# Altium PCB Audio-Streamer-Mainboard.PcbDoc (part 1 of 7) (continued)
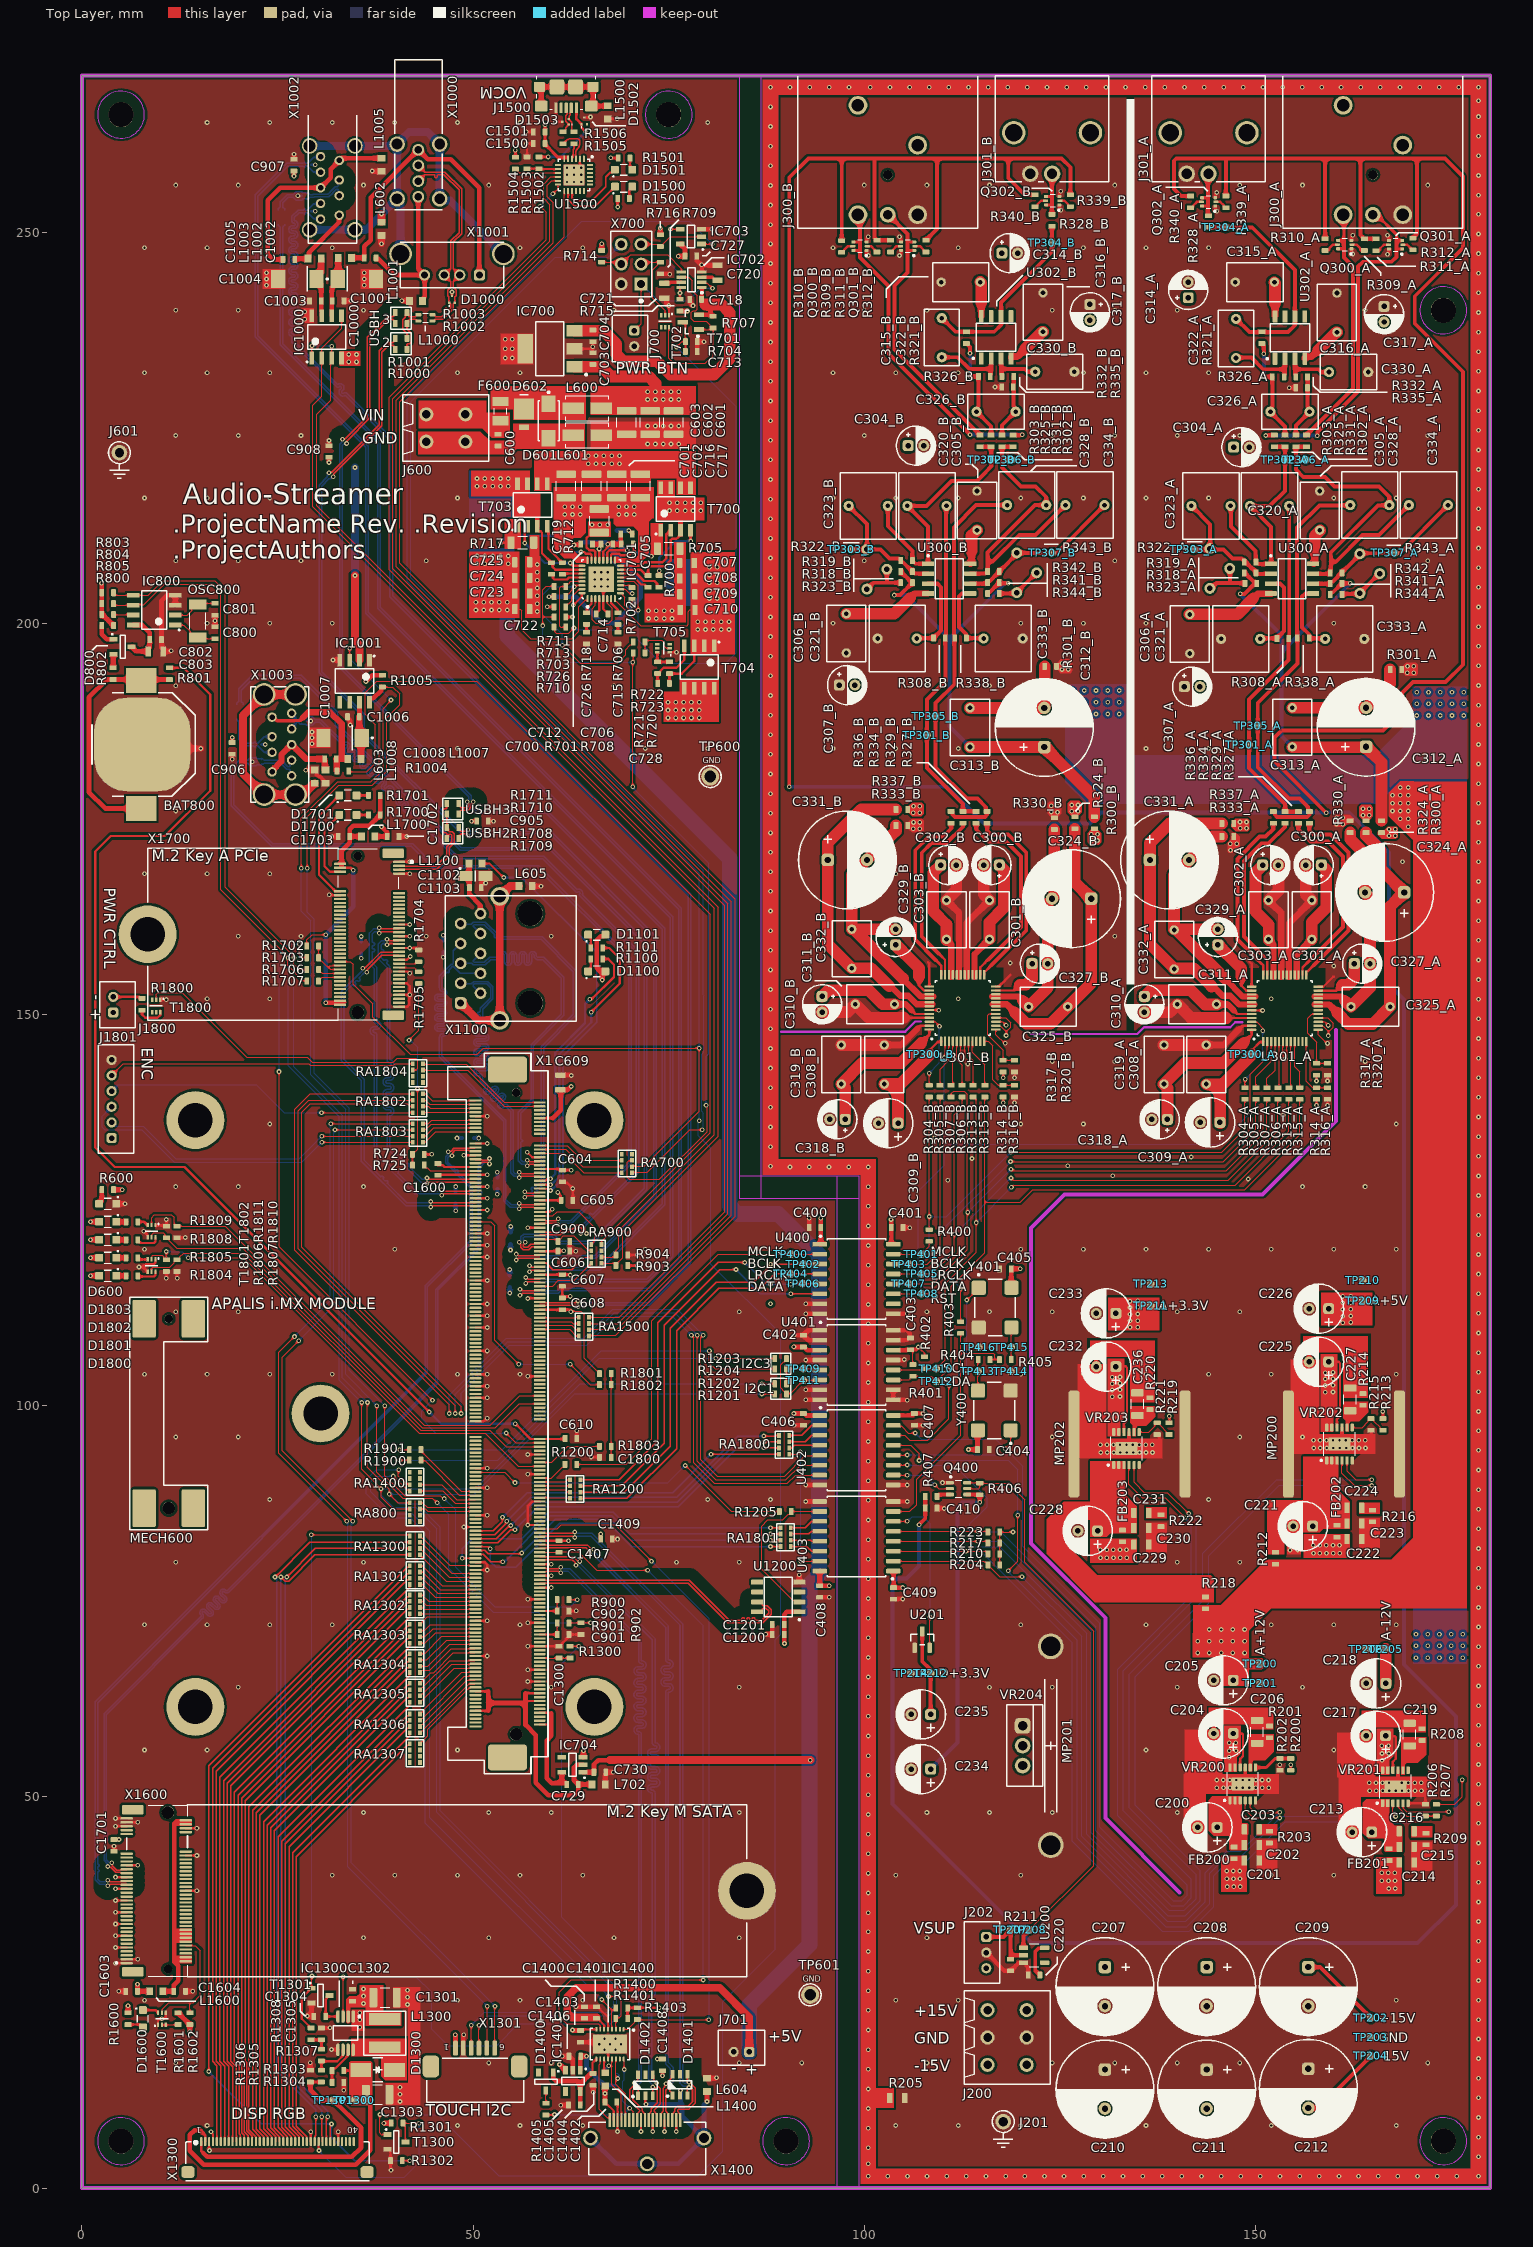
[diagram p0: Top Layer view]
## Components (designator, comment, footprint, x,y, rotation, side; value= is the part's Value field where it differs from the comment) (continued)
D1300 "SS14" T_DO-214-AC 37.8,15.105 r180 top
D1400 "BAT54C" SOT95P230X110-3N 59.3,13.615 r270 top
D1401 "RCLAMP0504S" T_SOT95P285X90-6N 76.429,13.2 r90 top
D1402 "RCLAMP0504S" T_SOT95P285X90-6N 72.01,13.15 r90 top
D1500 "green" LED 69.229,255.8 r180 top
D1501 "green" LED 69.229,257.96 r180 top
D1502 "TPD2EUSB30DRTR" T_TI_TPD2EUSB30DRTR 64.2,264.205 r90 top
D1503 "TPD2EUSB30DRTR" T_TI_TPD2EUSB30DRTR 61.8,264.1 r180 top
D1600 "green" LED 7.8,21.65 r90 top
D1700 "green" LED 34,175.5 r180 top
D1701 "green" LED 34,178 r180 top
D1800 "green" LED 3.3,116.6 r0 top
D1801 "red" LED 3.3,118.9 r0 top
D1802 "green" LED 3.3,121.2 r0 top
D1803 "red" LED 3.3,123.5 r0 top
F600 "7A" T_Littelfuse_0458 53.5,227.1 r90 top
FB200 "0Ω" SMD0603RES 147.268,42.853 r90 top
FB201 "0Ω" SMD0603RES 167.075,42.616 r90 top
FB202 "0Ω" SMD0603RES 160.391,83.95 r90 top
FB203 "0Ω" SMD0603RES 133,83.35 r90 top
IC700 "L5150BNTR" T_ON_NCV4264-2ST50T3G 59.8,235.082 r180 top
IC701 "TPS51120" QFN50P500X500X100-33N 66.379,205.6 r90 top
IC702 "LTC2954CTS8-2#TRMPBF" T_LINEAR_LTC2954CTS8-2#PBF 77.935,243.9 r90 top
IC703 "NC7SZ126M5X" SOT95P279X142-5N 77.835,249.41 r180 top
IC704 "NCP511SN33T1G" SOT95P279X142-5N 62.7,54.1 r180 top
IC800 "M41T0M6" SOIC127P600X173-8N 9.25,201.678 r180 top
IC1000 "TPS2066CD" SOIC127P600X173-8N 31.285,236.6 r90 top
IC1001 "TPS2052BD" SOIC127P600X173-8N 34.85,192.6 r270 top
IC1300 "PAM2841SR" T_TSOP65P490X110-8N 33.7,19.805 r270 top
IC1400 "HDMI2C1-6C1" DFN16 67.5,18.4 r180 top
IC1401 "NCP511SN33T1G" SOT95P279X142-5N 62.75,13.701 r270 top
J200 "1861946" 1861946 120.75,22.75 r270 top
J201 "Solder Pin" SOLDER_PIN 117.75,8.5 r90 top net-tie
J202 "B3B-PH-K-S" B3B-PH-K-S 115.59,32.1 r90 top
J300_A "NC3MBH" NC3MBH 165,270 r0 top (schematic designator J300)
J300_B "NC3MBH" NC3MBH 103,270 r0 top (schematic designator J300)
J301_A "43-028/9" RCA-Plug 144,262.7 r0 top (schematic designator J301)
J301_B "43-028/9" RCA-Plug 124,262.7 r0 top (schematic designator J301)
J600 "1861933" 1861933 49.015,226.7 r270 top
J601 "Solder Pin" SOLDER_PIN 4.8,221.8 r270 top net-tie
J700 "B2B-PH-K-S" B2B-PH-K-S 70.59,237.4 r90 top
J701 "B2B-PH-K-S" B2B-PH-K-S 85.3,17.4 r0 top
J1500 "1981568-1" HEADER_USB 61.9,268.55 r180 top
J1800 "B2B-PH-K-S" B2B-PH-K-S 4,150.25 r270 top
J1801 "B6B-PHK-S" B6B-PH-K-S 3.8,134.2 r270 top
L600 "36R@100MHz" T_Laird_35F0121-0SR-10 64.6,227.5 r0 top
L601 "36R@100MHz" T_Laird_35F0121-0SR-10 64.6,224 r0 top
L602 "33R@100MHz" INDC1608X95N 38.3,250.4 r90 top
L603 "33R@100MHz" INDC1608X95N 29.75,180.4 r270 top
L604 "33R@100MHz" INDC1608X95N 79.9,13.2 r270 top
L605 "33R@100MHz" INDC1608X95N 56.714,166.4 r180 top
L700 "4.7uH" T_INDM110100 77.115,209.775 r0 bottom
L701 "8.2uH" T_INDM120120X80N 52.429,210.1 r0 bottom
L702 "220R@100MHz" INDC1608X95N 66.04,51.6 r0 top
L1000 "90R@100MHz" T_Murata_DLW21SN900SQ2 43.9,239.04 r180 top
L1001 "220R@100MHz" INDC1608X95N 42.7,241.2 r0 top
L1002 "220R@100MHz" INDC1608X95N 33.61,246.7 r0 top
L1003 "220R@100MHz" INDC1608X95N 29.75,246.6 r180 top
L1004 "90R@100MHz" T_Murata_DLW21SN900SQ2 25.5,251.9 r90 bottom
L1005 "220R@100MHz" INDC1608X95N 38.3,258.6 r90 top
L1006 "90R@100MHz" T_Murata_DLW21SN900SQ2 20.2,188.7 r270 bottom
L1007 "220R@100MHz" INDC1608X95N 34.821,182.65 r180 top
L1008 "220R@100MHz" INDC1608X95N 31.15,180.4 r90 top
L1100 "220R@100MHz" INDC1608X95N 50.3,169.278 r180 top
L1300 "22uH" T_INDM5050 38.7,19.805 r270 top
L1400 "120R@100MHz" INDC1608X95N 66.88,13.9 r270 top
L1500 "220R@100MHz" INDC1608X95N 67.2,265.3 r90 top
L1600 "33R@100MHz" INDC1608X95N 9.5,25.15 r0 top
L1700 "33R@100MHz" INDC1608X95N 36.58,172.75 r180 top
MECH600 "Mini-PCIe Latch" T_Molex_48099-5701 11.1,99 r90 top
MP200 "DNP" DA-T263-201E 161.3,95.1 r180 top
MP201 "FA-T220-38E" FA-T220-38E 123.825,56.545 r270 top
MP202 "DNP" DA-T263-201E 133.9,95.1 r180 top
OSC800 "CC4V-T1A" T_MC_CC4V-T1A 14.82,200.286 r270 top value=32.768KHz
Q300_A "PMBT3904VS,115" SOT-666 161.4,248.394 r90 top (schematic designator Q300)
Q300_B "PMBT3904VS,115" SOT-666 99.45,248.197 r90 top (schematic designator Q300)
Q301_A "PMBT3904VS,115" SOT-666 167.899,248.374 r90 top (schematic designator Q301)
Q301_B "PMBT3904VS,115" SOT-666 105.54,248.197 r90 top (schematic designator Q301)
Q302_A "PMBT3904VS,115" SOT-666 144,253.85 r90 top (schematic designator Q302)
Q302_B "PMBT3904VS,115" SOT-666 124.075,254 r90 top (schematic designator Q302)
Q400 "SQ1539EH-T1_GE3" SOT-363-6 112.04,89.4 r270 top
R200 "560kΩ" SMD0603RES 154.5,54.155 r270 top
R201 "121kΩ" SMD0603RES 151.8,58.3 r90 top
R202 "15kΩ" SMD0603RES 153.1,54.155 r90 top
R203 "DNP" SMD0603RES 151.768,44.853 r90 top
R204 "10kΩ" SMD0603RES 116.55,79.65 r0 top
R205 "DNP" SMD0805RES 104.2,11.5 r180 top
R206 "15kΩ" SMD0603RES 171.7,48.3 r270 top
R207 "560kΩ" SMD0603RES 173.1,48.3 r90 top
R208 "121kΩ" SMD0603RES 171.287,57.961 r90 top
R209 "DNP" SMD0603RES 171.8,44.616 r90 top
R210 "10kΩ" SMD0603RES 116.55,81.05 r0 top
R211 "DNP" SMD0603RES 118.69,28.51 r90 top
R212 "DNP" SMD0603RES 152.536,80.5 r90 top
R213 "150kΩ" SMD0603RES 166.275,97.6 r90 top
R214 "49.9kΩ" SMD0603RES 163.731,100.8 r90 top
R215 "10kΩ" SMD0603RES 164.775,97.6 r90 top
R216 "DNP" SMD0603RES 164.941,85.9 r90 top
R217 "10kΩ" SMD0603RES 116.55,82.45 r0 top
R218 "DNP" SMD0603RES 143.6,74.8 r90 top
R219 "91kΩ" SMD0603RES 138.94,97.065 r90 top
R220 "33.2kΩ" SMD0603RES 136.5,100.25 r90 top
R221 "10kΩ" SMD0603RES 137.44,97.065 r90 top
R222 "DNP" SMD0603RES 137.925,85.3 r90 top
R223 "10kΩ" SMD0603RES 116.55,83.85 r0 top
R300_A "0Ω" SMD0603RES 166.1,174 r90 top (schematic designator R300)
R300_B "0Ω" SMD0603RES 129.4,174.5 r90 top (schematic designator R300)
R301_A "0Ω" SMD0603RES 167.95,194.094 r0 top (schematic designator R301)
R301_B "0Ω" SMD0603RES 123.8,194.5 r0 top (schematic designator R301)
R302_A "47Ω" SMD0603RES 156.5,223.3 r270 top (schematic designator R302)
R302_B "47Ω" SMD0603RES 119,223.3 r270 top (schematic designator R302)
R303_A "47Ω" SMD0603RES 152.4,223.3 r270 top (schematic designator R303)
R303_B "47Ω" SMD0603RES 114.8,223.3 r270 top (schematic designator R303)
R304_A "22Ω" SMD0603RES 148.65,139.9 r270 top (schematic designator R304)
R304_B "22Ω" SMD0603RES 108.3,140.2 r270 top (schematic designator R304)
R305_A "22Ω" SMD0603RES 150.05,139.9 r270 top (schematic designator R305)
R305_B "22Ω" SMD0603RES 109.7,140.2 r270 top (schematic designator R305)
R306_A "22Ω" SMD0603RES 152.85,139.9 r270 top (schematic designator R306)
R306_B "22Ω" SMD0603RES 112.5,140.2 r270 top (schematic designator R306)
R307_A "22Ω" SMD0603RES 151.45,139.9 r270 top (schematic designator R307)
R307_B "22Ω" SMD0603RES 111.1,140.2 r270 top (schematic designator R307)
R308_A "22Ω" SMD0603RES 153.5,198.05 r0 top (schematic designator R308)
R308_B "22Ω" SMD0603RES 109.6,198.1 r0 top (schematic designator R308)
R309_A "2.2kΩ" SMD0603RES 163.9,248.394 r270 top (schematic designator R309)
R309_B "2.2kΩ" SMD0603RES 101.61,248.197 r270 top (schematic designator R309)
R310_A "2.2kΩ" SMD0603RES 158.9,248.394 r270 top (schematic designator R310)
R310_B "2.2kΩ" SMD0603RES 97.11,248.147 r270 top (schematic designator R310)
R311_A "2.2kΩ" SMD0603RES 165.4,248.374 r270 top (schematic designator R311)
R311_B "2.2kΩ" SMD0603RES 103.36,248.197 r270 top (schematic designator R311)
R312_A "2.2kΩ" SMD0603RES 170.1,248.467 r270 top (schematic designator R312)
R312_B "2.2kΩ" SMD0603RES 107.86,248.197 r270 top (schematic designator R312)
R313_A "22Ω" SMD0603RES 154.25,139.9 r270 top (schematic designator R313)
R313_B "22Ω" SMD0603RES 113.9,140.2 r270 top (schematic designator R313)
R314_A "10kΩ" SMD0603RES 157.8,139.9 r270 top (schematic designator R314)
R314_B "10kΩ" SMD0603RES 117.75,140.2 r270 top (schematic designator R314)
R315_A "22Ω" SMD0603RES 155.65,139.9 r270 top (schematic designator R315)
R315_B "22Ω" SMD0603RES 115.4,140.2 r270 top (schematic designator R315)
R316_A "10kΩ" SMD0603RES 159.2,139.9 r270 top (schematic designator R316)
R316_B "10kΩ" SMD0603RES 119.2,140.2 r270 top (schematic designator R316)
R317_A "10kΩ" SMD0603RES 157.8,143 r270 top (schematic designator R317)
R317_B "10kΩ" SMD0603RES 117.75,143.4 r270 top (schematic designator R317)
R318_A "270Ω" SMD0603RES 149.3,206.45 r180 top (schematic designator R318)
R318_B "270Ω" SMD0603RES 105.4,206.6 r180 top (schematic designator R318)
R319_A "270Ω" SMD0603RES 149.3,207.8 r180 top (schematic designator R319)
R319_B "270Ω" SMD0603RES 105.4,208 r180 top (schematic designator R319)
R320_A "10kΩ" SMD0603RES 159.2,143 r270 top (schematic designator R320)
R320_B "10kΩ" SMD0603RES 119.2,143.4 r270 top (schematic designator R320)
R321_A "340Ω" SMD0603RES 150.8,236.5 r270 top (schematic designator R321)
R321_B "340Ω" SMD0603RES 113.05,236.5 r270 top (schematic designator R321)
R322_A "DNP" 3266 145.43,207 r90 top (schematic designator R322)
R322_B "DNP" 3266 101.61,206.9 r90 top (schematic designator R322)
R323_A "DNP" SMD0603RES 149.4,205.1 r0 top (schematic designator R323)
R323_B "DNP" SMD0603RES 105.4,205.18 r0 top (schematic designator R323)
R324_A "10Ω" SMD0603RES 164.125,174 r90 top (schematic designator R324)
R324_B "10Ω" SMD0603RES 126.9,174.5 r90 top (schematic designator R324)
R325_A "340Ω" SMD0603RES 153.765,223.3 r270 top (schematic designator R325)
R325_B "340Ω" SMD0603RES 116.2,223.3 r270 top (schematic designator R325)
R326_A "200Ω" SMD0603RES 152.9,231.5 r0 top (schematic designator R326)
R326_B "200Ω" SMD0603RES 115.34,231.54 r0 top (schematic designator R326)
R327_A "82Ω" SMD0603RES 156.881,175.182 r270 top (schematic designator R327)
R327_B "82Ω" SMD0603RES 115.7,175.2 r270 top (schematic designator R327)
R328_A "47Ω" SMD0603RES 144,251.35 r270 top (schematic designator R328)
R328_B "47Ω" SMD0603RES 123.975,251.5 r270 top (schematic designator R328)
R329_A "82Ω" SMD0603RES 155.481,175.182 r270 top (schematic designator R329)
R329_B "82Ω" SMD0603RES 114.3,175.2 r270 top (schematic designator R329)
R330_A "10Ω" SMD0603RES 162.1,174 r90 top (schematic designator R330)
R330_B "10Ω" SMD0603RES 124.29,174.4 r90 top (schematic designator R330)
R331_A "340Ω" SMD0603RES 155.15,223.3 r270 top (schematic designator R331)
R331_B "340Ω" SMD0603RES 117.6,223.3 r270 top (schematic designator R331)
R332_A "200Ω" SMD0603RES 155.9,231.5 r180 top (schematic designator R332)
R332_B "200Ω" SMD0603RES 118.34,231.54 r180 top (schematic designator R332)
R333_A "10Ω" SMD0603RES 146.456,172.75 r180 top (schematic designator R333)
R333_B "10Ω" SMD0603RES 104.8,174.15 r180 top (schematic designator R333)
R334_A "82Ω" SMD0603RES 153.771,175.182 r270 top (schematic designator R334)
R334_B "82Ω" SMD0603RES 112.59,175.2 r270 top (schematic designator R334)
R335_A "340Ω" SMD0603RES 155.9,230.1 r0 top (schematic designator R335)
R335_B "340Ω" SMD0603RES 118.3,230.2 r0 top (schematic designator R335)
R336_A "82Ω" SMD0603RES 152.271,175.182 r270 top (schematic designator R336)
R336_B "82Ω" SMD0603RES 111.09,175.2 r270 top (schematic designator R336)
R337_A "10Ω" SMD0603RES 146.456,174.4 r180 top (schematic designator R337)
R337_B "10Ω" SMD0603RES 104.8,176.2 r180 top (schematic designator R337)
R338_A "22Ω" SMD0603RES 156.1,198.1 r180 top (schematic designator R338)
R338_B "22Ω" SMD0603RES 112.3,198.1 r180 top (schematic designator R338)
R339_A "2.2kΩ" SMD0603RES 146.2,253.85 r90 top (schematic designator R339)
R339_B "2.2kΩ" SMD0603RES 126.325,254 r90 top (schematic designator R339)
R340_A "2.2kΩ" SMD0603RES 141.7,253.85 r90 top (schematic designator R340)
R340_B "2.2kΩ" SMD0603RES 121.825,254 r90 top (schematic designator R340)
R341_A "270Ω" SMD0603RES 160.3,205.1 r0 top (schematic designator R341)
R341_B "270Ω" SMD0603RES 116.5,205.2 r0 top (schematic designator R341)
R342_A "270Ω" SMD0603RES 160.3,206.45 r0 top (schematic designator R342)
R342_B "270Ω" SMD0603RES 116.5,206.6 r0 top (schematic designator R342)
R343_A "DNP" 3266 164.6,206.35 r90 top (schematic designator R343)
R343_B "DNP" 3266 120.75,206.45 r90 top (schematic designator R343)
R344_A "DNP" SMD0603RES 160.3,203.7 r180 top (schematic designator R344)
R344_B "DNP" SMD0603RES 116.5,203.804 r180 top (schematic designator R344)
R400 "0Ω" SMD0603RES 108.295,121.75 r270 top
R401 "1.5kΩ" SMD0603RES 106.2,104.5 r90 top
R402 "1.5kΩ" SMD0603RES 107.7,105.5 r90 top
R403 "DNP" SMD0603RES 112.319,109.99 r270 top
R404 "22Ω" SMD0603RES 115.319,105.89 r0 top
R405 "22Ω" SMD0603RES 118.024,105.89 r180 top
R406 "10kΩ" SMD0603RES 114.75,89.35 r270 top
R407 "0Ω" SMD0603RES 108.54,88.4 r0 top
R600 "560R" SMD0603RES 3.3,127.6 r180 top
R700 "4.7R" SMD0603RES 73.774,205.35 r90 top
R701 "4.7R" SMD0603RES 67.1,210.1 r180 top
R702 "100K" SMD0603RES 70.3,203.81 r270 top value=100KR
R703 "0R" SMD0603RES 61.1,202.1 r0 top
R704 "10K" SMD0603RES 77.885,235.985 r180 top value=10KR
R705 "12mR" SMD1206RES 75,209.54 r0 top
R706 "24K" SMD0603RES 68.5,200.6 r90 top value=24KR
R707 "100K" SMD0603RES 80.685,238.484 r90 top value=100KR
R708 "3.3K" SMD0603RES 69.7,210.1 r180 top value=3.3KR
R709 "100K" SMD0603RES 73.935,245.4 r90 top value=100KR
R710 "0R" SMD0603RES 61.1,199.5 r0 top
R711 "0R" SMD0603RES 61.1,204.7 r0 top
R712 "4.7R" SMD0603RES 61.4,207 r90 top
R713 "100K" SMD0603RES 61.1,203.4 r180 top value=100KR
R714 "10K" SMD0603RES 66.435,246.9 r270 top value=10KR
R715 "10K" SMD0603RES 76.435,240.65 r90 top value=10KR
R716 "100K" SMD0603RES 73.935,248.9 r90 top value=100KR
R717 "15mR" SMD1206RES 56.3,210.3 r0 top
R718 "24K" SMD0603RES 64.5,200.6 r90 top value=24KR
R719 "3.6K" SMD0603RES 63.879,211.1 r270 bottom value=3.6KR
R720 "100K" SMD0603RES 75.089,194.315 r90 top value=100KR
R721 "100K" SMD0603RES 73.589,194.315 r90 top value=100KR
R722 "0R" SMD0603RES 71.221,197.61 r180 top
R723 "0R" SMD0603RES 71.221,196.21 r0 top
R724 "100K" SMD0603RES 43,132.121 r0 top value=100KR
R725 "22R" SMD0603RES 43,130.75 r180 top
R726 "100K" SMD0603RES 61.1,200.8 r180 top value=100KR
R800 "470R" SMD0603RES 3.3,199.7 r0 top
R801 "10R" SMD0603RES 11.2,193.55 r90 top
R802 "10R" SMD0603RES 4,193.565 r90 top
R803 "1.8K" SMD0603RES 3.3,203.9 r180 top value=1.8KR
R804 "1.8K" SMD0603RES 3.3,202.5 r180 top value=1.8KR
R805 "100K" SMD0603RES 3.3,201.1 r180 top value=100KR
R900 "22R" SMD0603RES 61.5,75.2 r0 top
R901 "22R" SMD0603RES 61.5,72.2 r0 top
R902 "100K" SMD0603RES 63.8,71.5 r90 top value=100KR
R903 "100K" SMD0603RES 69,117.9 r180 top value=100KR
R904 "100K" SMD0603RES 69,119.25 r180 top value=100KR
R1000 "0R" SMD0603RES 40.8,235 r0 top
R1001 "0R" SMD0603RES 40.8,236.4 r0 top
R1002 "0R" SMD0603RES 40.8,238.3 r0 top
R1003 "0R" SMD0603RES 40.8,239.7 r0 top
R1004 "0R" SMD0603RES 33.35,181.1 r180 top
R1005 "100K" SMD0603RES 38.4,192.6 r90 top value=100KR
R1100 "560R" SMD0603RES 65.8,157.1 r180 top
R1101 "560R" SMD0603RES 65.8,158.5 r180 top
R1200 "22R" SMD0603RES 62.5,92.5 r0 top
R1201 "0Ω" SMD0603RES 89.315,101.5 r180 top
R1202 "0Ω" SMD0603RES 89.315,102.8 r180 top
R1203 "0Ω" SMD0603RES 89.3,106 r180 top
R1204 "0Ω" SMD0603RES 89.3,104.7 r180 top
R1205 "DNP" SMD0603RES 89.9,86.48 r180 top
R1300 "22R" SMD0603RES 62.4,68.5 r90 top
R1301 "10K" SMD0603RES 40.3,8.3 r180 top
R1302 "100K" SMD0603RES 40.2,3.5 r0 top value=100KR
R1303 "910K" SMD0603RES 32.725,15.005 r0 top value=910KR
R1304 "59K" SMD0603RES 32.725,13.505 r180 top value=49KR
R1305 "5K" SMD0603RES 30.6,14.305 r270 top
R1306 "3.3R" SMD0603RES 29.2,14.305 r270 top
R1307 "90K" SMD0603RES 30.6,17.005 r270 top
R1308 "10K" SMD0603RES 29.3,19.705 r270 top
R1400 "10K" SMD0603RES 68.999,23.045 r0 top value=10KR
R1401 "10K" SMD0603RES 68.999,21.695 r0 top value=10KR
R1402 "1.8K" SMD0603RES 68.3,13.9 r270 bottom value=1.8KR
R1403 "470K" SMD0603RES 71,22.305 r90 top value=470KR
R1404 "1.8K" SMD0603RES 66.95,13.9 r270 bottom value=1.8KR
R1405 "24K" SMD0603RES 59.3,10.093 r90 top value=24KR
R1500 "560R" SMD0603RES 69.229,254.3 r0 top
R1501 "560R" SMD0603RES 69.3,259.45 r0 top
R1502 "24kΩ" SMD0603RES 58.4,258.85 r90 top
R1503 "47kΩ" SMD0603RES 56.9,258.85 r270 top
R1504 "10kΩ" SMD0603RES 55.4,258.8 r90 top
R1505 "22R" SMD0603RES 62.9,262.05 r90 top
R1506 "22R" SMD0603RES 61.5,262.05 r90 top
R1600 "560R" SMD0603RES 5.895,21.65 r270 top
R1601 "470K" SMD0603RES 12.3,21.65 r270 top value=470KR
R1602 "100K" SMD0603RES 13.8,21.65 r270 top value=100KR
R1700 "560R" SMD0603RES 37.385,175.5 r180 top
R1701 "560R" SMD0603RES 37.385,178 r180 top
R1702 "47K" SMD0603RES 29.5,158.75 r180 top value=47KR
R1703 "0R" SMD0603RES 29.5,157.25 r180 top
R1704 "0R" SMD0603RES 43.05,157.5 r270 top
R1705 "0R" SMD0603RES 43.05,154.7 r90 top
R1706 "0R" SMD0603RES 29.5,155.75 r0 top
R1707 "0R" SMD0603RES 29.5,154.25 r0 top
R1708 "0R" SMD0603RES 47.4,173.9 r180 top
R1709 "0R" SMD0603RES 47.4,172.5 r180 top
R1710 "0R" SMD0603RES 47.4,175.6 r180 top
R1711 "0R" SMD0603RES 47.4,176.95 r180 top
R1800 "220Ω" SMD0603RES 7.692,151.3 r90 top
R1801 "100K" SMD0603RES 66.9,104.1 r0 top value=100KR
R1802 "0R" SMD0603RES 66.9,102.7 r180 top
R1803 "0R" SMD0603RES 66.9,94.8 r0 top
R1804 "560R" SMD0603RES 6.4,116.6 r180 top
R1805 "560R" SMD0603RES 6.4,118.9 r180 top
R1806 "100K" SMD0603RES 10.8,117.9 r270 top value=100KR
R1807 "100K" SMD0603RES 12.15,117.9 r270 top value=100KR
R1808 "560R" SMD0603RES 6.4,121.2 r0 top
R1809 "560R" SMD0603RES 6.4,123.5 r0 top
R1810 "100K" SMD0603RES 12.15,122.2 r270 top value=100KR
R1811 "100K" SMD0603RES 10.8,122.2 r90 top value=100KR
R1900 "22R" SMD0603RES 42.6,93.04 r180 top
R1901 "22R" SMD0603RES 42.6,94.37 r180 top
RA700 "22R" T_Resistor_Array_X4 69,132.151 r0 top
RA800 "22R" T_Resistor_Array_X4 43.2,85.2 r180 top
RA900 "22R" T_Resistor_Array_X4 65.1,120.6 r0 top
RA1200 "22R" T_Resistor_Array_X4 62.4,90.55 r0 top
RA1300 "22R" T_Resistor_Array_X4 43.2,80.95 r180 top
RA1301 "22R" T_Resistor_Array_X4 43.2,77.15 r180 top
RA1302 "22R" T_Resistor_Array_X4 43.2,73.4 r180 top
RA1303 "22R" T_Resistor_Array_X4 43.2,69.65 r180 top
RA1304 "22R" T_Resistor_Array_X4 43.2,65.9 r180 top
RA1305 "22R" T_Resistor_Array_X4 43.2,62.109 r180 top
RA1306 "22R" T_Resistor_Array_X4 43.2,58.2 r180 top
RA1307 "22R" T_Resistor_Array_X4 43.2,54.4 r180 top
RA1400 "22R" T_Resistor_Array_X4 43.2,89.1 r180 top
RA1500 "22R" T_Resistor_Array_X4 63.5,111.3 r0 top
RA1800 "22R" T_Resistor_Array_X4 89.1,96.2 r0 top
RA1801 "22R" T_Resistor_Array_X4 89.3,84.4 r0 top
RA1802 "22R" T_Resistor_Array_X4 43.58,137.45 r180 top
RA1803 "22R" T_Resistor_Array_X4 43.58,133.65 r180 top
RA1804 "22R" T_Resistor_Array_X4 42.28,143.7 r0 top
T700 "FDS6910DKR" SOIC127P600X173-8N 75.879,214.6 r90 top
T701 "IRLML6401PbF" SOT95P237X112-3N 77.835,238.484 r180 top
T702 "T-Vishay-SI-1024X-N" SOTFL50P160X60-6N 74.535,238.6 r270 top
T703 "FDS6910DKR" SOIC127P600X173-8N 57.579,215.1 r90 top
T704 "DMP2022LSS-13" SOIC127P600X173-8N 78.9,194.4 r270 top
T705 "T-Vishay-SI-1024X-N" SOTFL50P160X60-6N 74.339,196.815 r180 top
T1300 "SI2312CDS" T_SOT95P230X110-3N 40.2,5.9 r0 top
T1301 "SI2312CDS" T_SOT95P230X110-3N 30.5,24.605 r0 top
T1600 "T-Vishay-SI-1024X-N" SOTFL50P160X60-6N 10.23,21.65 r90 top
T1800 "T-Vishay-SI-1024X-N" SOTFL50P160X60-6N 9.5,151.1 r270 top
T1801 "T-Vishay-SI-1024X-N" SOTFL50P160X60-6N 8.9,117.9 r270 top
T1802 "T-Vishay-SI-1024X-N" SOTFL50P160X60-6N 8.902,122.3 r270 top
TP200 "Testpoint" TP 150.6,67 r90 top
TP201 "Testpoint" TP 150.6,64.509 r90 top
TP202 "Testpoint" TP 164.75,21.75 r90 top
TP203 "Testpoint" TP 164.75,19.25 r90 top
TP204 "Testpoint" TP 164.75,16.9 r90 top
TP205 "Testpoint" TP 166.664,68.9 r90 top
TP206 "Testpoint" TP 164.15,68.9 r90 top
TP207 "Testpoint" TP 118.69,33 r90 top
TP208 "Testpoint" TP 121.1,33 r90 top
TP209 "Testpoint" TP 163.7,113.4 r0 top
TP210 "Testpoint" TP 163.7,116 r90 top
TP211 "Testpoint" TP 136.6,112.8 r90 top
TP212 "Testpoint" TP 108.475,65.795 r270 top
TP213 "Testpoint" TP 136.6,115.56 r90 top
TP214 "Testpoint" TP 105.975,65.795 r270 top
TP300_A "Testpoint" TP 149.5,144.9 r90 top (schematic designator TP300)
TP300_B "Testpoint" TP 108.4,144.9 r90 top (schematic designator TP300)
TP301_A "Testpoint" TP 149.181,184.5 r90 top (schematic designator TP301)
TP301_B "Testpoint" TP 108,185.7 r90 top (schematic designator TP301)